# Altium PCB PS1-1B-BASIS.PcbDoc (part 3 of 7)
Units mm, origin at the board's own origin, x right, y up, seen from the top; angles counter-clockwise.
Board outline 88 x 170 mm, 6 copper layers (Top Layer, Mid 1, Mid 2 (GND), Mid 3 (PWR), Mid 4, Bottom Layer), stack 1.55 mm thick; 633 components, 333 nets, 1767 pads, 930 vias.
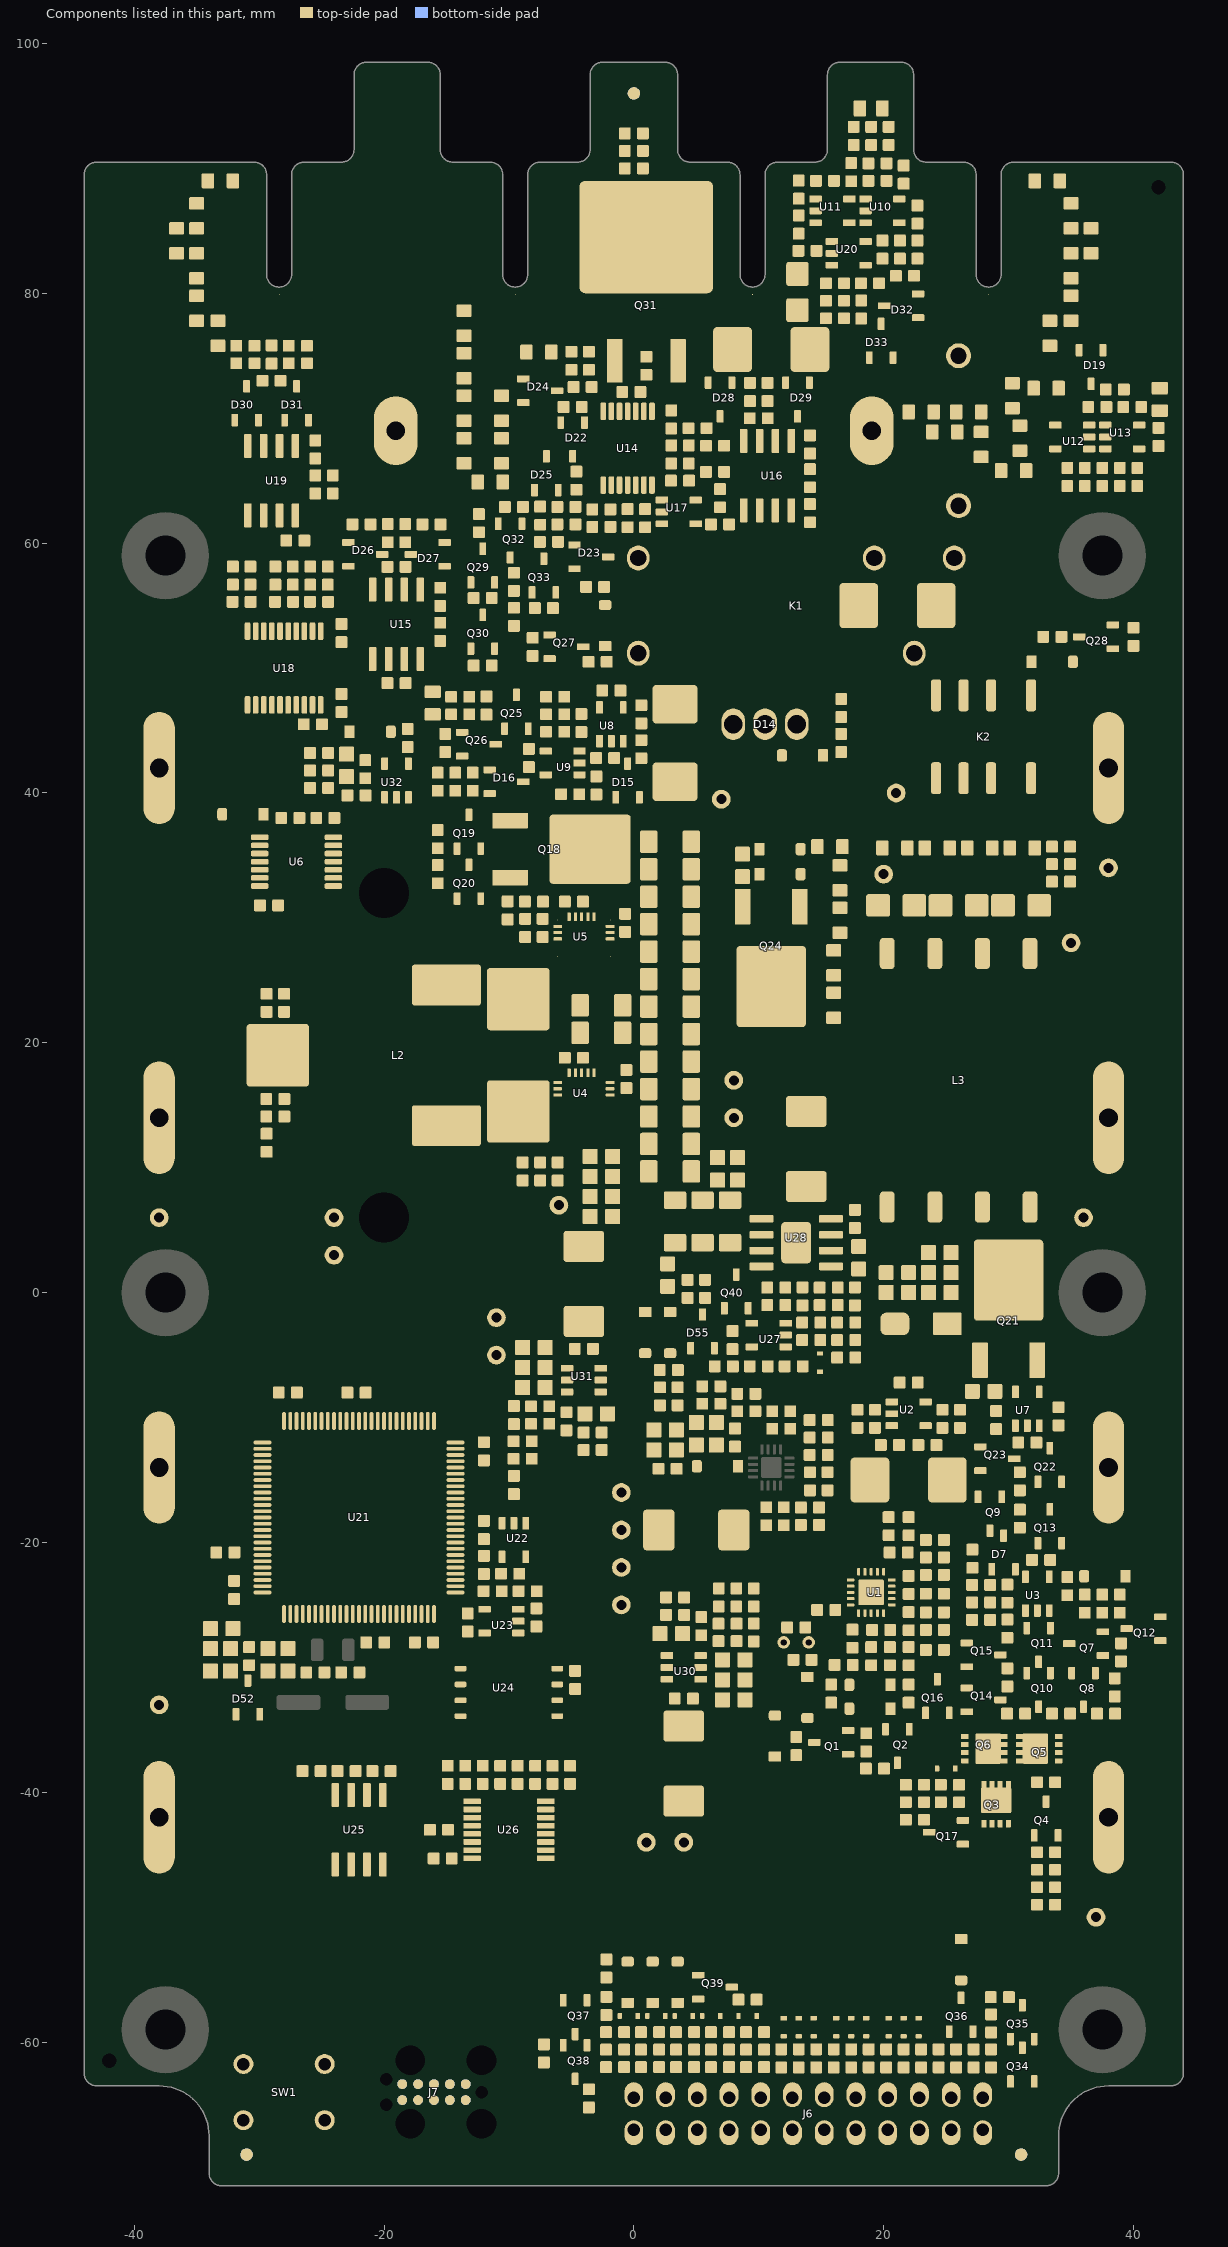
[diagram p7: the components of this part, seen from the top]

## Footprints (in the part's own frame and the unit in brackets; to place one, negate y for a bottom-side part, rotate by r counter-clockwise, add the part's x,y. Pads: shape width x height; smd on the part's side, far side on the other; paste and mask are expansions set on the pad) (continued)
QFP050P1600X1600X160-100 [mm] "QFP, 100-Leads, Body 14.00x14.00mm, Pitch 0.50mm, IPC Medium Density"
  oval 1.45x0.3 smd: 1(-7.725,6) 2(-7.725,5.5) 3(-7.725,5) 4(-7.725,4.5) 5(-7.725,4) 6(-7.725,3.5) 7(-7.725,3) 8(-7.725,2.5) 9(-7.725,2) 10(-7.725,1.5) 11(-7.725,1) 12(-7.725,0.5) 13(-7.725,0) 14(-7.725,-0.5) 15(-7.725,-1) 16(-7.725,-1.5) 17(-7.725,-2) 18(-7.725,-2.5) 19(-7.725,-3) 20(-7.725,-3.5) 21(-7.725,-4) 22(-7.725,-4.5) 23(-7.725,-5) 24(-7.725,-5.5) 25(-7.725,-6) 51(7.725,-6) 52(7.725,-5.5) 53(7.725,-5) 54(7.725,-4.5) 55(7.725,-4) 56(7.725,-3.5) 57(7.725,-3) 58(7.725,-2.5) 59(7.725,-2) 60(7.725,-1.5) 61(7.725,-1) 62(7.725,-0.5) 63(7.725,0) 64(7.725,0.5) 65(7.725,1) 66(7.725,1.5) 67(7.725,2) 68(7.725,2.5) 69(7.725,3) 70(7.725,3.5) 71(7.725,4) 72(7.725,4.5) 73(7.725,5) 74(7.725,5.5) 75(7.725,6)
  oval 0.3x1.45 smd: 26(-6,-7.725) 27(-5.5,-7.725) 28(-5,-7.725) 29(-4.5,-7.725) 30(-4,-7.725) 31(-3.5,-7.725) 32(-3,-7.725) 33(-2.5,-7.725) 34(-2,-7.725) 35(-1.5,-7.725) 36(-1,-7.725) 37(-0.5,-7.725) 38(0,-7.725) 39(0.5,-7.725) 40(1,-7.725) 41(1.5,-7.725) 42(2,-7.725) 43(2.5,-7.725) 44(3,-7.725) 45(3.5,-7.725) 46(4,-7.725) 47(4.5,-7.725) 48(5,-7.725) 49(5.5,-7.725) 50(6,-7.725) 76(6,7.725) 77(5.5,7.725) 78(5,7.725) 79(4.5,7.725) 80(4,7.725) 81(3.5,7.725) 82(3,7.725) 83(2.5,7.725) 84(2,7.725) 85(1.5,7.725) 86(1,7.725) 87(0.5,7.725) 88(0,7.725) 89(-0.5,7.725) 90(-1,7.725) 91(-1.5,7.725) 92(-2,7.725) 93(-2.5,7.725) 94(-3,7.725) 95(-3.5,7.725) 96(-4,7.725) 97(-4.5,7.725) 98(-5,7.725) 99(-5.5,7.725) 100(-6,7.725)
  silkscreen extent -7.85,6.58 -7.6,6.82, body extent -8,-8 8,8, height 1.6
QR-PROJECT-URL-10MM [mm] "QR Code Project URL 10mm"
R0603-0.40-WW [mm]
  rrect20% 0.95x0.95 smd: 1(-0.725,0) 2(0.725,0)
  silkscreen extent -0.3,-0.7 0.3,0.7, body extent -0.8,-0.4 0.8,0.4, height 0.3
R0805-0.50-HV-WW [mm]
  rrect20% 1x1.2 smd: 1(-1,0) 2(1,0)
  silkscreen extent -0.5,-0.8 0.5,0.8, body extent -1,-0.5 1,0.5, height 0.37
R0805-0.50-WW [mm]
  rrect20% 1.2x1.2 smd: 1(-0.9,0) 2(0.9,0)
  silkscreen extent -0.5,-0.8 0.5,0.8, body extent -1,-0.5 1,0.5, height 0.37
R1206-0.80-WW [mm]
  rrect20% 1.9x1.8 smd: 1(-1.45,0) 2(1.45,0)
  silkscreen extent -0.6,-1.1 0.6,1.1, body extent -1.6,-0.8 1.6,0.8, height 0.62
R2512-0.65-WW [mm]
  rrect20% 3.1x3.6 smd: 1(-3.1,0) 2(3.1,0)
  silkscreen extent -2,-2 2,2, body extent -3.2,-1.6 3.2,1.6, height 0.68
RESD200W25D200H4000 [mm]
  round 1 hole 0.5: 1(-1,0) 2(1,0)
  silkscreen extent -0.74,-1 0.74,1, body extent -1.15,-1 1.15,1, height 40
SERIAL-2D-10MM-RESTRICT [mm] "Placeholder for 2D serial number (Dotmatrix or QR) / Size: 10mm"
  Top Layer keep-out region: -5,-5 5,-5 5,5 -5,5
  silkscreen extent -5,-5 5,5
SLB4-F6.3-BLACK [mil]
  round 1 smd: 1(0,-1244.09)
  Top Layer region: -47.24,-1181.1 -42.57,-1201.6 -29.46,-1218.04 -10.51,-1227.16 10.51,-1227.16 29.46,-1218.04 42.57,-1201.6 47.24,-1181.1 47.24,-1181.1 47.24,-866.14 49.64,-854.09 56.47,-843.87 66.69,-837.04 78.74,-834.65 78.74,-834.65 78.74,-1181.1 70.94,-1215.27 49.09,-1242.66 17.52,-1257.87 -17.52,-1257.87 -49.09,-1242.66 -70.94,-1215.27 -78.74,-1181.1 -78.74,-1181.1 -78.74,-834.65 -66.69,-837.04 -56.47,-843.87 -49.64,-854.09 -47.24,-866.14 -47.24,-866.14
  body extent -285,-1197 285,79, height 324
SLB4-F6.3-RED [mil]
  round 1 smd: 1(0,-1244.09)
  Top Layer region: -47.24,-1181.1 -42.57,-1201.6 -29.46,-1218.04 -10.51,-1227.16 10.51,-1227.16 29.46,-1218.04 42.57,-1201.6 47.24,-1181.1 47.24,-1181.1 47.24,-866.14 49.64,-854.09 56.47,-843.87 66.69,-837.04 78.74,-834.65 78.74,-834.65 78.74,-1181.1 70.94,-1215.27 49.09,-1242.66 17.52,-1257.87 -17.52,-1257.87 -49.09,-1242.66 -70.94,-1215.27 -78.74,-1181.1 -78.74,-1181.1 -78.74,-834.65 -66.69,-837.04 -56.47,-843.87 -49.64,-854.09 -47.24,-866.14 -47.24,-866.14
  body extent -285,-1197 285,79, height 324
SOCK_254_2X12_700 [mm] "Socket 2.54mm 2x12, height 7mm"
  oval 2x1.5 hole 1 copper offset -0.25,0: 1(0,0) 3(0,-2.54) 5(0,-5.08) 7(0,-7.62) 9(0,-10.16) 11(0,-12.7) 13(0,-15.24) 15(0,-17.78) 17(0,-20.32) 19(0,-22.86) 21(0,-25.4) 23(0,-27.94)
  oval 2x1.5 hole 1 copper offset 0.25,0: 2(2.54,0) 4(2.54,-2.54) 6(2.54,-5.08) 8(2.54,-7.62) 10(2.54,-10.16) 12(2.54,-12.7) 14(2.54,-15.24) 16(2.54,-17.78) 18(2.54,-20.32) 20(2.54,-22.86) 22(2.54,-25.4) 24(2.54,-27.94)
  silkscreen extent -1.27,-29.21 3.81,1.27, body extent -1.27,-29.21 3.81,1.27, height 7
SOD1608X065 [mm] "SOD523"
  rrect50% 0.35x0.5 smd: 1(-0.725,0)
  rrect10% 0.35x0.5 smd: 2(0.725,0)
  silkscreen extent -1.1,-0.2 -1.1,0.2, body extent -0.8,-0.4 0.8,0.4, height 0.65
SOD3718X125 [mm] "SOD-123"
  rrect50% 0.8x1 smd: 1(-1.65,0)
  rrect10% 0.8x1 smd: 2(1.65,0)
  silkscreen extent -2.3,-0.5 -2.3,0.5, body extent -1.85,-0.8 1.85,0.8, height 1.25
Solder_Jumper_2pin_0.3mm [mil] "Solder jumper with two pins with a spacing of 0.3mm"
  round 1 smd paste-99999: 1(-25.59,0) 2(25.59,0)
  Top Layer region: -5.91,39.37 -20.97,36.37 -33.74,27.84 -42.28,15.07 -45.28,0 -45.28,0 -42.28,-15.07 -33.74,-27.84 -20.97,-36.37 -5.91,-39.37 -5.91,-39.37
  Top Layer region: 5.91,-39.37 20.97,-36.37 33.74,-27.84 42.28,-15.07 45.28,0 45.28,0 42.28,15.07 33.74,27.84 20.97,36.37 5.91,39.37 5.91,39.37
SON065P330X330X075-5-TH245X175 [mm]
  round 0.5 on Top Overlay: 1(-1.6,-1.6)
  rrect10% 0.4x0.6 smd: 1(-0.975,-1.5) 2(-0.325,-1.5) 3(0.325,-1.5) 4(0.975,-1.5) 5(-0.975,1.625) 5(-0.325,1.625) 5(0.325,1.625) 5(0.975,1.625)
  rrect10% 2.45x2.03 smd: 5(0,0.36)
  body extent -1.65,-1.65 1.65,1.65, height 0.75
SON127P800X600X080-8-EP340X430 [mm] "SON, 8-Leads, Body 6.00x8.00mm, Pitch 1.27mm, Thermal Pad 4.30x3.40mm, IPC Medium Density"
  round 0.5 on Top Overlay: 1(-4.7,2.625)
  rrect50% 0.95x0.45 smd: 1(-3.87,1.905) 2(-3.87,0.635) 3(-3.87,-0.635) 4(-3.87,-1.905) 5(3.87,-1.905) 6(3.87,-0.635) 7(3.87,0.635) 8(3.87,1.905)
  round 0.025 smd paste-1.7: EP(0,0)
  Top Layer region: 1.7,1.98 1.687,2.045 1.65,2.1 1.595,2.137 1.53,2.15 1.53,2.15 -0.894,2.15 -0.992,2.131 -1.075,2.075 -1.075,2.075 -1.625,1.525 -1.681,1.442 -1.7,1.344 -1.7,1.344 -1.7,-1.98 -1.687,-2.045 -1.65,-2.1 -1.595,-2.137 -1.53,-2.15 -1.53,-2.15 1.53,-2.15 1.595,-2.137 1.65,-2.1 1.687,-2.045 1.7,-1.98 1.7,-1.98
  silkscreen extent -4.25,-3.25 4.25,3.25, body extent -4.07,-3.05 4.07,3.05, height 0.8
SOP065P640X110-16NW [mm] "TSOP, 16-Leads, Body 5.00x4.40mm, Pitch 0.65mm, IPC Medium Density"
  rrect25% 1.4x0.45 smd: 1(-2.95,2.275) 2(-2.95,1.625) 3(-2.95,0.975) 4(-2.95,0.325) 5(-2.95,-0.325) 6(-2.95,-0.975) 7(-2.95,-1.625) 8(-2.95,-2.275) 9(2.95,-2.275) 10(2.95,-1.625) 11(2.95,-0.975) 12(2.95,-0.325) 13(2.95,0.325) 14(2.95,0.975) 15(2.95,1.625) 16(2.95,2.275)
  silkscreen extent -3.08,2.93 -2.83,3.17, body extent -3.2,-2.55 3.2,2.55, height 1.1
SOP065P640X120-14NW [mm] "TSOP, 14-Leads, Body 5.00x4.40mm, Pitch 0.65mm, IPC Medium Density"
  rrect50% 1.4x0.45 smd: 1(-2.95,1.95) 2(-2.95,1.3) 3(-2.95,0.65) 4(-2.95,0) 5(-2.95,-0.65) 6(-2.95,-1.3) 7(-2.95,-1.95) 8(2.95,-1.95) 9(2.95,-1.3) 10(2.95,-0.65) 11(2.95,0) 12(2.95,0.65) 13(2.95,1.3) 14(2.95,1.95)
  silkscreen extent -3.03,2.58 -2.78,2.82, body extent -3.22,-2.45 3.22,2.45, height 1.1
SOP065P640X120-20NW [mm] "TSOP, 20-Leads, Body 6.50x4.40mm, Pitch 0.65mm, IPC Medium Density"
  rrect50% 1.4x0.45 smd: 1(-2.95,2.925) 2(-2.95,2.275) 3(-2.95,1.625) 4(-2.95,0.975) 5(-2.95,0.325) 6(-2.95,-0.325) 7(-2.95,-0.975) 8(-2.95,-1.625) 9(-2.95,-2.275) 10(-2.95,-2.925) 11(2.95,-2.925) 12(2.95,-2.275) 13(2.95,-1.625) 14(2.95,-0.975) 15(2.95,-0.325) 16(2.95,0.325) 17(2.95,0.975) 18(2.95,1.625) 19(2.95,2.275) 20(2.95,2.925)
  silkscreen extent -3.07,3.58 -2.83,3.83, body extent -3.2,-3.3 3.2,3.3, height 1.2
SOP127P600X155-8-EP330x240-NW [mm] "PHDSO-G8-I127, JEDEC MS-012AA, SOIC8 with Exposed Pad"
  rrect25% 1.91x0.61 smd: 1(-2.78,1.905) 2(-2.78,0.635) 3(-2.78,-0.635) 4(-2.78,-1.905) 5(2.78,-1.905) 6(2.78,-0.635) 7(2.78,0.635) 8(2.78,1.905)
  round 0.4 on Top Overlay: 1(-2.5,2.7)
  rrect25% 2.4x3.3 smd: EP(0,0)
  body extent -3,-2.45 3,2.45, height 1.7
SOP127P600X155-8-SW [mm] "PHDSO-G8-I127, JEDEC MS-012AA, SOIC8"
  round 0.4 on Top Overlay: 1(-2.7,-2.5)
  rrect25% 0.61x1.91 smd: 1(-1.905,-2.78) 2(-0.635,-2.78) 3(0.635,-2.78) 4(1.905,-2.78) 5(1.905,2.78) 6(0.635,2.78) 7(-0.635,2.78) 8(-1.905,2.78)
  body extent -2.4,-3 2.4,3, height 1.45
SOT2395P280X125-3-SE [mm] "SOT23-3, SC74"
  rrect25% 1x0.55 smd: 1(1.35,-0.95) 2(1.35,0.95) 3(-1.35,0)
  round 0.4 on Top Overlay: 1(1.6,-1.6)
  body extent -1.4,-1.45 1.4,1.45, height 1.26
SOT2395P280X125-5-NW [mm] "SOT23-5"
  round 0.4 on Top Overlay: 1(-1.6,1.6)
  rrect25% 1x0.55 smd: 1(-1.35,0.95) 2(-1.35,0) 3(-1.35,-0.95) 4(1.35,-0.95) 5(1.35,0.95)
  body extent -1.4,-1.45 1.4,1.45, height 1.26
SOT2395P280X125-5-SW [mm] "SOT23-5"
  round 0.4 on Top Overlay: 1(-1.6,-1.6)
  rrect25% 0.55x1 smd: 1(-0.95,-1.35) 2(0,-1.35) 3(0.95,-1.35) 4(0.95,1.35) 5(-0.95,1.35)
  body extent -1.45,-1.4 1.45,1.4, height 1.26
SOT2395P280X125-6-NW [mm] "SOT23-6"
  round 0.4 on Top Overlay: 1(-1.6,1.6)
  rrect25% 1x0.55 smd: 1(-1.35,0.95) 2(-1.35,0) 3(-1.35,-0.95) 4(1.35,-0.95) 5(1.35,0.01) 6(1.35,0.95)
  body extent -1.4,-1.45 1.4,1.45, height 1.26
TC2050-2 [mil] "Tag-Connect TC2050, 10 pin, top and bottom"
  round 31 smd paste-99999: 1(-100,-25) 2(-50,-25) 3(0,-25) 4(50,-25) 5(100,-25) 6(100,25) 7(50,25) 8(0,25) 9(-50,25) 10(-100,25)
  round 31 smd far side paste-99999: 1(-100,25) 2(-50,25) 3(0,25) 4(50,25) 5(100,25) 6(100,-25) 7(50,-25) 8(0,-25) 9(-50,-25) 10(-100,-25)
  round 0 hole 93.5 unplated: M(-150,-100) M(-150,100) M(75,100) M(75,-100)
  round 0 hole 39 unplated: M(-150,0) M(150,-40) M(150,40)
TO220-3 [mm] "Consider renaming the footprint"
  oval 1.9x2.5 hole 1.5: 1(-2.54,0) 2(0,0) 3(2.54,0)
  silkscreen extent -5.15,-1.7 5.15,3, body extent -5.15,-1.7 5.15,3, height 19.31
TO228P990X229-3 [mm] "DPAK3"
  rrect10% 1.25x2.85 smd: 1(-2.286,-6.4) 2(2.286,-6.4)
  round 1 on Top Overlay: 1(-0.75,-6.5)
  rrect10% 5.55x6.5 smd: 3(0,0)
  body extent -3.27,-7.28 3.27,2.83, height 2.29
TO254P1530X1035-3 [mm] "D2PAK3"
  rrect10% 1.25x3.5 smd: 1(-2.54,-9.9) 2(2.54,-9.9)
  round 1 on Top Overlay: 1(-1.3,-10.9)
  rrect10% 10.7x9 smd: 3(0,0)
  body extent -5.18,-11.18 5.18,4.16, height 4.46
TOOLING-JLC [mm] "Tooling holes as specified by JLCPCB"
  round 0 hole 1.152 unplated paste-2539.97 mask+0.65: 0(0,0)
TP_THD_1.5/0.8 [mm] "Testpoint THD 1.5mm / 0.8mm"
  round 1.5 hole 0.8: 1(0,0)
  silkscreen extent -1,-1 1,1
TR_FLYBACK_RM5_PS1-100 [mm]
  rrect50% 2.5x1.2 smd: 1(-10.15,5.715) 2(-10.15,1.905) 3(-10.15,-1.905) 4(-10.15,-5.715) 5(10.15,-5.715) 6(10.15,-1.905) 7(10.15,1.905) 8(10.15,5.715)
  body extent -9.5,-8 9.5,8, height 11.1

## Part data
BAT1 BAT2 BAT3 BAT4: "Battery LiFePO4 26700 4.5Ah", Manufacturer=Tenpower, Manufacturer Part Number 1=IFR26700-45HE, Supplier Part Number 1=6097321571573, HelpURL=https://www.tenpowercell.com/wp-content/uploads/2023/08/TP-IFR26700-45HE-Product-Datasheet-v1.4.pdf, Manufacturer 1=Tenpower, Part Number=BAT_LFP-26700-4.5AH, Supplier 1=NKON
C1 C4 C17 C37 C38 C39 C40 C55 C123 C124 C125 C147 C148: "CAP SM 0603 1.0uF 50V X5R", Absolute Value=1E-6, JLC Type=Basic, Manufacturer=GENERIC, Manufacturer 1="Samsung Electro-Mechanics", Manufacturer Part Number 1=CL10A105KB8NNNC, Package=0603, Supplier Part Number 1=1276-1860-1-ND, Eurocircuits GPN=GPC0603105-X5R, HelpURL=https://mm.digikey.com/Volume0/opasdata/d220001/medias/docus/658/CL10A105KB8NNNC_Spec.pdf, Manufacturer Part Number 3=CL10A105KB8NNNC, Part Number=1U/0603/50V/X5R, Supplier 1=Digi-Key, Supplier 3=LCSC, Supplier Part Number 3=C15849
C2 C3 C5 C6 C7 C8 C9 C10 C13 C16 C41 C50 C51 C53 C54 C56 C57 C58 C59 C68 C70 C72 C73 C75 C76 C77 C78 C84 C97 C98 C99 C100 C101 C102 C104 C105 C106 C107 C108 C109 C111 C112 C132 C133 C140: "CAP SM 0603 100nF 50V X7R", Absolute Value=1E-7, JLC Type=Basic, Manufacturer=GENERIC, Manufacturer 1=YAGEO, Manufacturer Part Number 1=CC0603KPX7R9BB104, Manufacturer Part Number 2=CC0603MRX7R9BB104, Manufacturer Part Number 3=CC0603KRX7R9BB104, Package=0603, Supplier Part Number 1=311-3567-1-ND, Eurocircuits GPN=GPC0603104, HelpURL=https://www.yageo.com/upload/media/product/app/datasheet/mlcc/upy-gphc_x7r_6_3v-to-250v.pdf, Manufacturer 2=YAGEO, Part Number=100N/0603/50V/X7R, Supplier 1=Digi-Key, Supplier 2=Digi-Key, Supplier 3=LCSC, Supplier Part Number 2=311-4110-1-ND, Supplier Part Number 3=C14663
C11 C12 C14 C62 C63 C66 C119: "CAP SM 0603 1.0nF 50V X7R", Absolute Value=1E-9, JLC Type=Basic, Manufacturer=GENERIC, Manufacturer 1=YAGEO, Manufacturer Part Number 1=CC0603KPX7R9BB102, Manufacturer Part Number 2=CC0603KRX7R9BB102, Manufacturer Part Number 3=CL10B102KB8NNNC, Package=0603, Supplier Part Number 1=13-CC0603KPX7R9BB102CT-ND, Eurocircuits GPN=GPC0603102, HelpURL=https://www.yageo.com/upload/media/product/app/datasheet/mlcc/upy-gphc_x7r_6_3v-to-250v.pdf, Manufacturer 2=YAGEO, Part Number=1N/0603/50V/X7R, Supplier 1=Digi-Key, Supplier 2=Digi-Key, Supplier 3=LCSC, Supplier Part Number 2=311-1080-1-ND, Supplier Part Number 3=C1588
C15 C42 C43 C44 C49 C60 C61 C69 C74 C79 C80 C83 C103 C110 C129 C139 C146 C150 C151: "CAP SM 0603 10nF 50V X7R", Absolute Value=1E-8, Manufacturer=GENERIC, Manufacturer 1=YAGEO, Manufacturer Part Number 1=CC0603KPX7R9BB103, Manufacturer Part Number 2=CC0603KRX7R9BB103, Package=0603, Supplier Part Number 1=311-1572-1-ND, Eurocircuits GPN=GPC0603103, HelpURL=https://www.yageo.com/upload/media/product/app/datasheet/mlcc/upy-gphc_x7r_6_3v-to-250v.pdf, Manufacturer 2=YAGEO, Manufacturer Part Number 3=CC0603KRX7R9BB103, Part Number=10N/0603/50V/X7R, Supplier 1=Digi-Key, Supplier 2=Digi-Key, Supplier 3=LCSC, Supplier Part Number 2=311-1085-1-ND, Supplier Part Number 3=C100042
C18 C19 C20 C21 C45 C46 C47 C92 C93 C94 C95 C96: "CAP SM 0805 22uF 25V X5R", Absolute Value=2.2E-5, JLC Type=Basic, Manufacturer=GENERIC, Manufacturer 1="Samsung Electro-Mechanics", Manufacturer Part Number 1=CL21A226MAYNNNE, Manufacturer Part Number 3=CL21A226MAQNNNE, Package=0805, Supplier Part Number 1=1276-CL21A226MAYNNNECT-ND, Eurocircuits GPN=GPN0805106-25, HelpURL=https://mm.digikey.com/Volume0/opasdata/d220001/medias/docus/339/CL21A226MAYNNNE_Spec.pdf, Part Number=22U/0805/25V/X5R, Supplier 1=Digi-Key, Supplier 3=LCSC, Supplier Part Number 3=C45783
C22 C23 C24 C25 C26 C27 C28 C29 C30 C31 C32 C33 C34 C35 C36: "CAP SM 1206 2.2uF 100V X7R", Absolute Value=2.2E-6, JLC Type=Extended, Manufacturer=GENERIC, Manufacturer 1=YAGEO, Manufacturer Part Number 1=CC1206KKX7R0BB225, Package=1206, Supplier Part Number 1=311-3450-1-ND, HelpURL=https://www.yageogroup.com/content/datasheet/asset/file/UPY-GPHC_X7R_6_3V-TO-250V, Manufacturer Part Number 3=CC1206KKX7R0BB225, Part Number=2U2/1206/100V/X7R, Supplier 1=Digi-Key, Supplier 3=LCSC, Supplier Part Number 3=C577211
C48: "CAP SM 0805 20pF 50V C0G", Absolute Value=2E-11, JLC Type=Basic, Manufacturer=GENERIC, Manufacturer 1="Samsung Electro-Mechanics", Manufacturer Part Number 1=CL21C200JBANNNC, Package=0805, Supplier Part Number 1=1276-1829-2-ND, HelpURL=https://weblib.samsungsem.com/mlcc/mlcc-ec-data-sheet.do?partNumber=CL21C200JBANNN, Manufacturer Part Number 3=CL21C200JBANNNC, Part Number=20P/0805/50V/C0G, Supplier 1=Digi-Key, Supplier 3=LCSC, Supplier Part Number 3=C1798
C52 C71 C81 C85 C86 C87 C88 C89: "CAP SM 0603 100pF 50V C0G", Absolute Value=1E-10, JLC Type=Basic, Manufacturer=GENERIC, Manufacturer 1=YAGEO, Manufacturer Part Number 1=CC0603JRNPO9BN101, Manufacturer Part Number 2=CC0603KRNPO9BN101, Manufacturer Part Number 3=CL10C101JB8NNNC, Package=0603, Supplier Part Number 1=311-1069-1-ND, Eurocircuits GPN=GPC0603101-C0G, HelpURL=https://www.yageo.com/upload/media/product/productsearch/datasheet/mlcc/UPY-GP_NP0_16V-to-50V_18.pdf, Manufacturer 2=YAGEO, Part Number=100P/0603/50V/C0G, Supplier 1=Digi-Key, Supplier 2=Digi-Key, Supplier 3=LCSC, Supplier Part Number 2=311-3600-1-ND, Supplier Part Number 3=C14858
C64 C128: "CAP SM 0603 10pF 50V C0G", Absolute Value=1E-11, Manufacturer=GENERIC, Manufacturer 1=YAGEO, Manufacturer Part Number 1=CC0603JRNPO9BN100, Manufacturer Part Number 2=CC0603KRNPO9BN100, Manufacturer Part Number 3=CL10C100JB8NNNC, Package=0603, Supplier Part Number 1=311-1058-1-ND, Eurocircuits GPN=GPC0603100-C0G, HelpURL=https://www.yageo.com/upload/media/product/productsearch/datasheet/mlcc/UPY-GP_NP0_16V-to-50V_18.pdf, Manufacturer 2=YAGEO, Part Number=10P/0603/50V/C0G, Supplier 1=Digi-Key, Supplier 2=Digi-Key, Supplier 3=LCSC, Supplier Part Number 2=311-4025-1-ND, Supplier Part Number 3=C1634
C65 C67: "CAP SM 0603 4.7pF 50V C0G", Absolute Value=4.7E-12, Manufacturer=GENERIC, Manufacturer 1=YAGEO, Manufacturer Part Number 1=CC0603CRNPO9BN4R7, Manufacturer Part Number 2=CC0603DRNPO9BN4R7, Manufacturer Part Number 3=CGA0603C0G4R7C500JT, Package=0603, Supplier Part Number 1=311-1740-1-ND, Eurocircuits GPN=GPC06034R7-C0G, HelpURL=https://www.yageo.com/upload/media/product/productsearch/datasheet/mlcc/UPY-GP_NP0_16V-to-50V_18.pdf, Manufacturer 2=YAGEO, Part Number=4P7/0603/50V/C0G, Supplier 1=Digi-Key, Supplier 2=Digi-Key, Supplier 3=LCSC, Supplier Part Number 2=13-CC0603DRNPO9BN4R7CT-ND, Supplier Part Number 3=C41361238
C82: "CAP SM 0603 220nF 25V X7R", Absolute Value=2.2E-7, JLC Type=Basic, Manufacturer=GENERIC, Manufacturer Part Number 3=CL10B224KA8NNNC, Package=0603, Eurocircuits GPN=GPC0603, Part Number=220N/0603/25V/X7R, Supplier 3=LCSC, Supplier Part Number 3=C21120
C90 C91: "CAP SM 0603 15pF 50V C0G", Absolute Value=1.5E-11, JLC Type=Basic, Manufacturer=GENERIC, Manufacturer 1=YAGEO, Manufacturer Part Number 1=CC0603JRNPO9BN150, Manufacturer Part Number 2=CC0603KRNPO9BN150, Manufacturer Part Number 3="Samsung Electro-Mechanics", Package=0603, Supplier Part Number 1=311-1060-1-ND, Eurocircuits GPN=GPC0603150-C0G, HelpURL=https://www.yageo.com/upload/media/product/productsearch/datasheet/mlcc/UPY-GP_NP0_16V-to-50V_18.pdf, Manufacturer 2=YAGEO, Part Number=15P/0603/50V/C0G, Supplier 1=Digi-Key, Supplier 2=Digi-Key, Supplier 3=LCSC, Supplier Part Number 2=311-4028-1-ND, Supplier Part Number 3=C1644
C113 C114 C115: "CAP SM 1206 1uF 100V X7R", Absolute Value=1E-6, Manufacturer=GENERIC, Manufacturer 1="Samsung Electro-Mechanics", Manufacturer Part Number 1=CL31B105KCHNNNE, Manufacturer Part Number 3=TCC1206X7R105K101HT, Package=1206, Supplier Part Number 1=1276-1838-1-ND, HelpURL=https://mm.digikey.com/Volume0/opasdata/d220001/medias/docus/41/CL31B105KCHNNNE_Spec.pdf, Part Number=1U/1206/100V/X7R, Supplier 1=Digi-Key, Supplier 3=LCSC, Supplier Part Number 3=C282823
C116: "CAP SM 0603 2.2nF 50V X7R", Absolute Value=2.2E-9, JLC Type=Basic, Manufacturer=GENERIC, Manufacturer 1=YAGEO, Manufacturer Part Number 1=CC0603KPX7R9BB222, Manufacturer Part Number 2=CC0603KRX7R9BB222, Manufacturer Part Number 3=0603B222K500NT, Package=0603, Supplier Part Number 1=13-CC0603KPX7R9BB222CT-ND, Eurocircuits GPN=GPC0603222, HelpURL=https://www.yageo.com/upload/media/product/app/datasheet/mlcc/upy-gphc_x7r_6_3v-to-250v.pdf, Manufacturer 2=YAGEO, Part Number=2N2/0603/50V/X7R, Supplier 1=Digi-Key, Supplier 2=Digi-Key, Supplier 3=LCSC, Supplier Part Number 2=311-1081-1-ND, Supplier Part Number 3=C1604
C117 C118 C121 C122 C126 C127 C134 C135 C136 C137 C141 C142 C143 C144 C149: "CAP SM 0805 10uF 50V X5R", Absolute Value=1E-5, JLC Type=Basic, Manufacturer=GENERIC, Manufacturer 1="Murata Electronics", Manufacturer Part Number 1=GRM21BR61H106KE43K, Manufacturer Part Number 3=GRM21BR61H106KE43L, Package=0805, Supplier Part Number 1=490-GRM21BR61H106KE43KCT-ND, Eurocircuits GPN=GPN0805106-50-X5R, HelpURL=https://search.murata.co.jp/Ceramy/image/img/A01X/G101/ENG/GRM21BR61H106KE43-01A.pdf, Part Number=10U/0805/50V/X5R, Supplier 1=Digi-Key, Supplier 3=LCSC, Supplier Part Number 3=C440198
C120 C138 C145: "CAP SM 0603 47pF 50V C0G", Absolute Value=4.7E-11, JLC Type=Basic, Manufacturer=GENERIC, Manufacturer 1=YAGEO, Manufacturer Part Number 1=CC0603JRNPO9BN470, Manufacturer Part Number 2=CC0603KRNPO9BN470, Manufacturer Part Number 3=CL10C470JB8NNNC, Package=0603, Supplier Part Number 1=311-1065-1-ND, Eurocircuits GPN=GPC0603470-C0G, HelpURL=https://www.yageo.com/upload/media/product/productsearch/datasheet/mlcc/UPY-GP_NP0_16V-to-50V_18.pdf, Manufacturer 2=YAGEO, Part Number=47P/0603/50V/C0G, Supplier 1=Digi-Key, Supplier 2=Digi-Key, Supplier 3=LCSC, Supplier Part Number 2=311-4037-1-ND, Supplier Part Number 3=C1671
C130: "CAP SM 0603 6.8nF 50V X7R", Absolute Value=6.8E-9, JLC Type=Basic, Manufacturer=GENERIC, Manufacturer 1=YAGEO, Manufacturer Part Number 1=CC0603KPX7R9BB682, Manufacturer Part Number 2=CC0603KRX7R9BB682, Manufacturer Part Number 3=0603B682K500NT, Package=0603, Supplier Part Number 1=13-CC0603KPX7R9BB682CT-ND, Eurocircuits GPN=GPC0603682, HelpURL=https://www.yageo.com/upload/media/product/app/datasheet/mlcc/upy-gphc_x7r_6_3v-to-250v.pdf, Manufacturer 2=YAGEO, Part Number=6N8/0603/50V/X7R, Supplier 1=Digi-Key, Supplier 2=Digi-Key, Supplier 3=LCSC, Supplier Part Number 2=311-1084-1-ND, Supplier Part Number 3=C1631
C131: "CAP SM 0603 330nF 25V X7R", Absolute Value=3.3E-7, JLC Type=Extended, Manufacturer=GENERIC, Manufacturer 1=YAGEO, Manufacturer Part Number 1=CC0603KRX7R8BB334, Manufacturer Part Number 2=CC0603JRX7R8BB334, Package=0603, Supplier Part Number 1=311-3573-1-ND, HelpURL=https://www.yageogroup.com/content/datasheet/asset/file/UPY-GPHC_X7R_6_3V-TO-250V, Manufacturer 2=YAGEO, Manufacturer Part Number 3=CC0603KRX7R8BB334, Part Number=330N/0603/25V/X7R, Supplier 1=Digi-Key, Supplier 2=Digi-Key, Supplier 3=LCSC, Supplier Part Number 2=13-CC0603JRX7R8BB334CT-ND, Supplier Part Number 3=C107070
D1 D2 D3 D5 D8 D18 D20 D34 D46 D47 D48 D53 D56 D57 D58: "40V 600mV@1A 1A SOD-123 Schottky Barrier Diodes", Absolute Value=40V, JLC Type=Basic, Manufacturer=GENERIC, Manufacturer 1="SMC Diode Solutions", Manufacturer 3="Jiangsu Changjing Electronics Technology Co., Ltd.", Manufacturer Part Number 1=B5819WSL, Package=SOD-123, Supplier Part Number 1=1655-B5819WSLCT-ND, HelpURL=https://datasheet.lcsc.com/lcsc/2304140030_Jiangsu-Changjing-Electronics-Technology-Co---Ltd--B5819W-SL_C8598.pdf, Manufacturer Part Number 3="B5819W SL", Part Number="B5819W SL", Supplier 1=Digikey, Supplier 3=LCSC, Supplier Part Number 3=C8598
D4: "Low current zener diode 1.8V 500mW SOD123", Absolute Value=1.8V, JLC Type=Extended, Manufacturer="Diodes Incorporated", Manufacturer 3=DIODES, Manufacturer Part Number 1=DDZ9678-7, Package=SOD-123, Supplier Part Number 1=DDZ9678DICT-ND, HelpURL=https://www.diodes.com/datasheet/download/DDZ96xx-DDZ97xx.pdf, Manufacturer 1="Diodes Incorporated", Manufacturer Part Number 3=DDZ9678-7, Part Number=DDZ9678, Supplier 1=Digikey, Supplier 3=LCSC, Supplier Part Number 3=C150464
D6: "DIODE ZENER 15V 100MW SOD523", Absolute Value="15 V", Manufacturer="Micro Commercial Co", Manufacturer 2="Diodes Incorporated", Manufacturer Part Number 1=BZT52C15T-TP, Manufacturer Part Number 2=BZT52C15T-7, Package="SC-79, SOD-523", Supplier Part Number 1=BZT52C15T-TPMSCT-ND, HelpURL=https://www.mccsemi.com/pdf/Products/BZT52C(B)2V4T-BZT52C(B)39T(SOD-523).pdf, Manufacturer 1="Micro Commercial Co", Manufacturer 3="Diodes Incorporated", Manufacturer Part Number 3=BZT52C15T-7, Part Number=BZT52C15T, Supplier 1=Digikey, Supplier 2=Digikey, Supplier 3=LCSC, Supplier Part Number 2=BZT52C15T-7DICT-ND, Supplier Part Number 3=C460787
D7 D15 D16 D19 D22 D23 D24 D25 D26 D27 D28 D29 D30 D31 D32 D33 D52 D55: "Silicon Low Leakage Diode 85V", Absolute Value=85V, Manufacturer="Infineon Technologies", Manufacturer 3=LRC, Manufacturer Part Number 1=BAV199E6433HTMA1, Manufacturer Part Number 3=LBAV199LT1G, Package=SOT23, Supplier Part Number 1=BAV199E6433HTMA1CT-ND, HelpURL=https://www.infineon.com/dgdl/bav199series.pdf?folderId=db3a30431400ef6801141c748874044e&fileId=db3a30431400ef6801141cba733104e5, Manufacturer 1="Infineon Technologies", Part Number=BAV199, Supplier 1=Digikey, Supplier 3=LCSC, Supplier Part Number 3=C12740
D9: "Si Shottky Diode 100V 2A DO-214AC", JLC Type=Basic, Manufacturer=GENERIC, Manufacturer 3="MDD(Microdiode Semiconductor)", Manufacturer Part Number 3=SS210, Package="DO-214AC, SMA", HelpURL=https://www.lcsc.com/datasheet/C14996.pdf, Part Number="SS210 SMA", Supplier 3=LCSC, Supplier Part Number 3=C14996
D10 D11: "Low current zener diode 13V 500mW SOD123", Absolute Value=13V, JLC Type=Extended, Manufacturer="Diodes Incorporated", Manufacturer 3=DIODES, Manufacturer Part Number 1=DDZ9700-7, Package=SOD-123, Supplier Part Number 1=31-DDZ9700-7CT-ND, HelpURL=https://www.diodes.com/datasheet/download/DDZ96xx-DDZ97xx.pdf, Manufacturer 1="Diodes Incorporated", Manufacturer Part Number 3=DDZ9700-7, Part Number=DDZ9700, Supplier 1=Digikey, Supplier 3=LCSC, Supplier Part Number 3=C460862
D12 D17 D21: library part "LED Red 0805", "Generic LED Red 0805", Absolute Value=Red, JLC Type=Basic, Manufacturer=GENERIC, Manufacturer 1=Würth, Manufacturer 3="Foshan NationStar Optoelectronics", Manufacturer Part Number 1=150080RS75000, Manufacturer Part Number 3=NCD0805R1, Package=805, Supplier Part Number 1=732-4984-1-ND, HelpURL=https://www.we-online.com/katalog/datasheet/150060RS75000.pdf, Part Number="LED Red 0805", Supplier 1=Digikey, Supplier 3=LCSC, Supplier Part Number 3=C84256
D13: "DIODE ZENER 68V 350MW SOD123", Absolute Value="68 V", JLC Type=Extended, Manufacturer="Nexperia USA Inc.", Manufacturer 2="Panjit International Inc.", Manufacturer 3=JUXING, Manufacturer Part Number 1=BZT52-C68J, Manufacturer Part Number 2=BZT52-C68_R1_00001, Manufacturer Part Number 3=BZT52C68V, Package=SOD-123, Supplier Part Number 1=1727-8144-1-ND, HelpURL=https://assets.nexperia.com/documents/data-sheet/BZT52_SER.pdf, Manufacturer 1="Nexperia USA Inc.", Part Number=BZT52C68, Supplier 1=Digikey, Supplier 2=Digikey, Supplier 3=LCSC, Supplier Part Number 2=3757-BZT52-C68_R1_00001CT-ND, Supplier Part Number 3=C5365518
D14: "Planar passivated Silicon Controlled Rectifier (SCR) in a TO220 plastic package, 600V, 30A", Manufacturer="WeEn Semiconductors", Manufacturer Part Number 1=TYN30-600TFQ, Package=TO-220, Supplier Part Number 1=1740-TYN30-600TFQ-ND, HelpURL=https://www.ween-semi.com/datasheet/TYN30-600TF.pdf, Manufacturer 1="WeEn Semiconductors", Part Number=TYN30-600, Supplier 1=Digikey
D35 D36 D37 D38 D39 D40 D41 D42 D43 D44 D45 D49 D50 D51 D54: "DIODE ZENER 3.3V 300MW SOD523", Absolute Value="3.3 V", Manufacturer="Diodes Incorporated", Manufacturer 2="Micro Commercial Co", Manufacturer 3=BORN, Manufacturer Part Number 1=BZT52C3V3T-7, Manufacturer Part Number 2=BZT52C3V3T-TP, Package="SC-79, SOD-523", Supplier Part Number 1=BZT52C3V3T-7DICT-ND, HelpURL=https://www.diodes.com/assets/Datasheets/ds30502.pdf, Manufacturer 1="Diodes Incorporated", Manufacturer Part Number 3=BZT52C3V3T, Part Number=BZT52C3V3T, Supplier 1=Digikey, Supplier 2=Digikey, Supplier 3=LCSC, Supplier Part Number 2=BZT52C3V3T-TPMSCT-ND, Supplier Part Number 3=C20612286
F1: "Fuse 1000V AC/DC 10A 5AG 10.3x38mm", Manufacturer="Phoenix Contact", Manufacturer Part Number 1=3061334, Package=5AG, Supplier Part Number 1=277-15212-ND, HelpURL=https://www.phoenixcontact.com/us/products/3061334/pdf, Manufacturer 1="Phoenix Contact", Part Number=10A/5AG/FUSE, Supplier 1=Digi-Key
F2: Manufacturer 1="Keystone Electronics", Manufacturer Part Number 1=3576, Package=5AG, Supplier Part Number 1=36-3576-ND, HelpURL=https://www.keyelco.com/product-pdf.cfm?p=347, Manufacturer 2="Keystone Electronics", Manufacturer Part Number 2=3576, Part Number=Fuseholder/5AG, Supplier 1=Digi-Key, Supplier 2=Mouser, Supplier Part Number 2=534-3576
FM1 FM2 FM3 FM4 FM5 FM6: library part Fidu_1mm, "Fiducial 1mm", Manufacturer=NONE, Part Number=Fidu_1mm
GDT1: library part GDT-1400V-A71-12MM-4MM, "2-electrode surge arrester, 1400V, 10kA, A71 series, 12mm lead spacing, 4mm standoff height", Absolute Value=1400, Manufacturer=TDK, Manufacturer 1="EPCOS - TDK Electronics", Manufacturer Part Number 1=B88069X2180S102, Manufacturer Part Number 2=B88069X3500T502, Package=Axial, Supplier Part Number 1=495-4270-ND, HelpURL=https://www.tdk-electronics.tdk.com/inf/100/ds/A71-H14X-X2180S102.pdf, Manufacturer 2="EPCOS - TDK Electronics", Part Number=GDT-1400V-A71-12MM-4MM, Supplier 1=Digi-Key, Supplier 2=Digi-Key, Supplier Part Number 2=495-5911-1-ND
J1: library part Solder_Jumper_2pin_0.3mm, "Solder jumper with two pins with a spacing of 0.3mm", Manufacturer=NONE, Part Number=Solder_Jumper_2pin_0.3mm
J2 J4: "SLB4-F6.3 Insulated, rigid, Ø 4 mm, accepting spring-loaded Ø 4 mm plugs with rigid insulating sleeve. Machined brass. Insulation material UL94 V-0. The socket is screwed into pre-drilled panels of plastic, metal, etc. Flat connecting tab 6.3 mm x 0.8 mm.", Manufacturer=Stäubli, Manufacturer 1="Stäubli Electrical Connectors", Manufacturer Part Number 1=23.3060-22, Supplier Part Number 1=30136218, HelpURL=https://www.staubli.com/content/dam/ecs/technical-documentation/datasheets/TM/23.3060_en.pdf, Supplier 1=Distrelec, System=Connector
  J2: Part Number="SLB4-F6.3 RED-1MM-UP"
  J4: Part Number="SLB4-F6.3 RED-1MM-DOWN"
J3 J5: "SLB4-F6.3 Insulated, rigid, Ø 4 mm, accepting spring-loaded Ø 4 mm plugs with rigid insulating sleeve. Machined brass. Insulation material UL94 V-0. The socket is screwed into pre-drilled panels of plastic, metal, etc. Flat connecting tab 6.3 mm x 0.8 mm.", Manufacturer=Stäubli, Manufacturer 1="Stäubli Electrical Connectors", Manufacturer Part Number 1=23.3060-21, Supplier Part Number 1=30136217, HelpURL=https://www.staubli.com/content/dam/ecs/technical-documentation/datasheets/TM/23.3060_en.pdf, Supplier 1=Distrelec, System=Connector
  J3: Part Number="SLB4-F6.3 BLACK-1MM-UP"
  J5: Part Number="SLB4-F6.3 BLACK-1MM-DOWN"
J6: library part Socket_2x12_7mm, "Socket 2.100mil 2x12, height 7mm", Manufacturer=GENERIC, Manufacturer 1=Preci-Dip, Manufacturer Part Number 1=803-87-024-10-001101, Supplier Part Number 1=1212-1252-ND, Part Number=Socket_2x12_7mm, Supplier 1=Digi-Key, System=Connector
J7: "Tag-Connect 2050, 10 pins, two-sided", Manufacturer=TAG-CONNECT, HelpURL=https://www.tag-connect.com/wp-content/uploads/bsk-pdf-manager/TC2050-IDC_Datasheet_7.pdf, Part Number=TAG-CON-10-DUAL
K1: "RELAY GEN PURPOSE SPDT 8A 12V", Manufacturer="Omron Electronics Inc-EMC Div", Supplier Part Number 1=39-G6RL-14-ASIDC12-ND, HelpURL=https://omronfs.omron.com/en_US/ecb/products/pdf/en-g6rl.pdf, Manufacturer 1="Omron Electronics Inc-EMC Div", Manufacturer Part Number 1="G6RL-14-ASI DC12", Part Number="G6RL-14-ASI DC12", Supplier 1=Digi-Key
K2: "FTR-B3 Series Ultra Miniature Relay 2 Poles - 2 A (Low Profile Signal Relay)", JLC Type=Extended, Manufacturer=Fujitsu, Manufacturer 3=FUJITSU, HelpURL=https://www.fujitsu.com/sg/imagesgig5/ftr-b3.pdf, Manufacturer Part Number 3=FTR-B3GA012Z-B10, Part Number=FTR-B3GA012Z-B10, Supplier 3=LCSC, Supplier Part Number 3=C2992429
L1: "Fixed Ind 10uH 11A 15.8mOhm SMD MDA1365", Absolute Value=1E-5, JLC Type=Extended, Manufacturer=Koherelec, Manufacturer 3=KOHERelec, Manufacturer Part Number 3=MDA1365-100M, Package=1365, HelpURL=http://www.kohergroup.com/template/default/pdf/MDA1365.pdf, Part Number=10UH/MDA1365, Supplier 3=LCSC, Supplier Part Number 3=C2847583
L2: "Fixed Ind 10uH 14A 4.8mOhm SMD", Absolute Value=1E-5, JLC Type=Extended, Manufacturer=XR, Manufacturer Part Number 3=XRPQ2012J-100M, Package=PQ2012J, HelpURL=https://www.lcsc.com/datasheet/C48391639.pdf, Manufacturer 3=XR, Part Number=10UH/PQ2012J, Supplier 3=LCSC, Supplier Part Number 3=C48391639
L3: Package=RM5, Part Number=TR/RM5/FLYBACK/PS1-1
L4: "FIXED IND 330UH 450MA 1.41OHM SM", Absolute Value=0.00033, Manufacturer="Eaton - Electronics Division", Manufacturer 3="SXN(Shun Xiang Nuo Elec)", Manufacturer Part Number 1=DR74-331-R, Manufacturer Part Number 3=SMDRI74-331MT, Package=7643, Supplier Part Number 1=283-4601-1-ND, HelpURL=https://www.eaton.com/content/dam/eaton/products/electronic-components/resources/data-sheet/eaton-dr-high-power-density-high-efficiency-shielded-drum-core-power-inductors-data-sheet.pdf, Manufacturer 1="Eaton - Electronics Division", Part Number=330UH\7643, Supplier 1=Digi-Key, Supplier 3=LCSC, Supplier Part Number 3=C35560
L5 L6 L7: "FIXED IND 22UH 1.75A 92.5MOHM SM", Absolute Value=2.2E-5, Manufacturer="Eaton - Electronics Division", Manufacturer 3="SXN(Shun Xiang Nuo Elec)", Manufacturer Part Number 1=DR74-220-R, Manufacturer Part Number 3=SMDRI74-220M, Package=7643, Supplier Part Number 1=513-1390-1-ND, HelpURL=https://www.eaton.com/content/dam/eaton/products/electronic-components/resources/data-sheet/eaton-dr-high-power-density-high-efficiency-shielded-drum-core-power-inductors-data-sheet.pdf, Manufacturer 1="Eaton - Electronics Division", Part Number=22UH\7643, Supplier 1=Digi-Key, Supplier 3=LCSC, Supplier Part Number 3=C164083